# KiCad board TimingMonitor.kicad_pcb
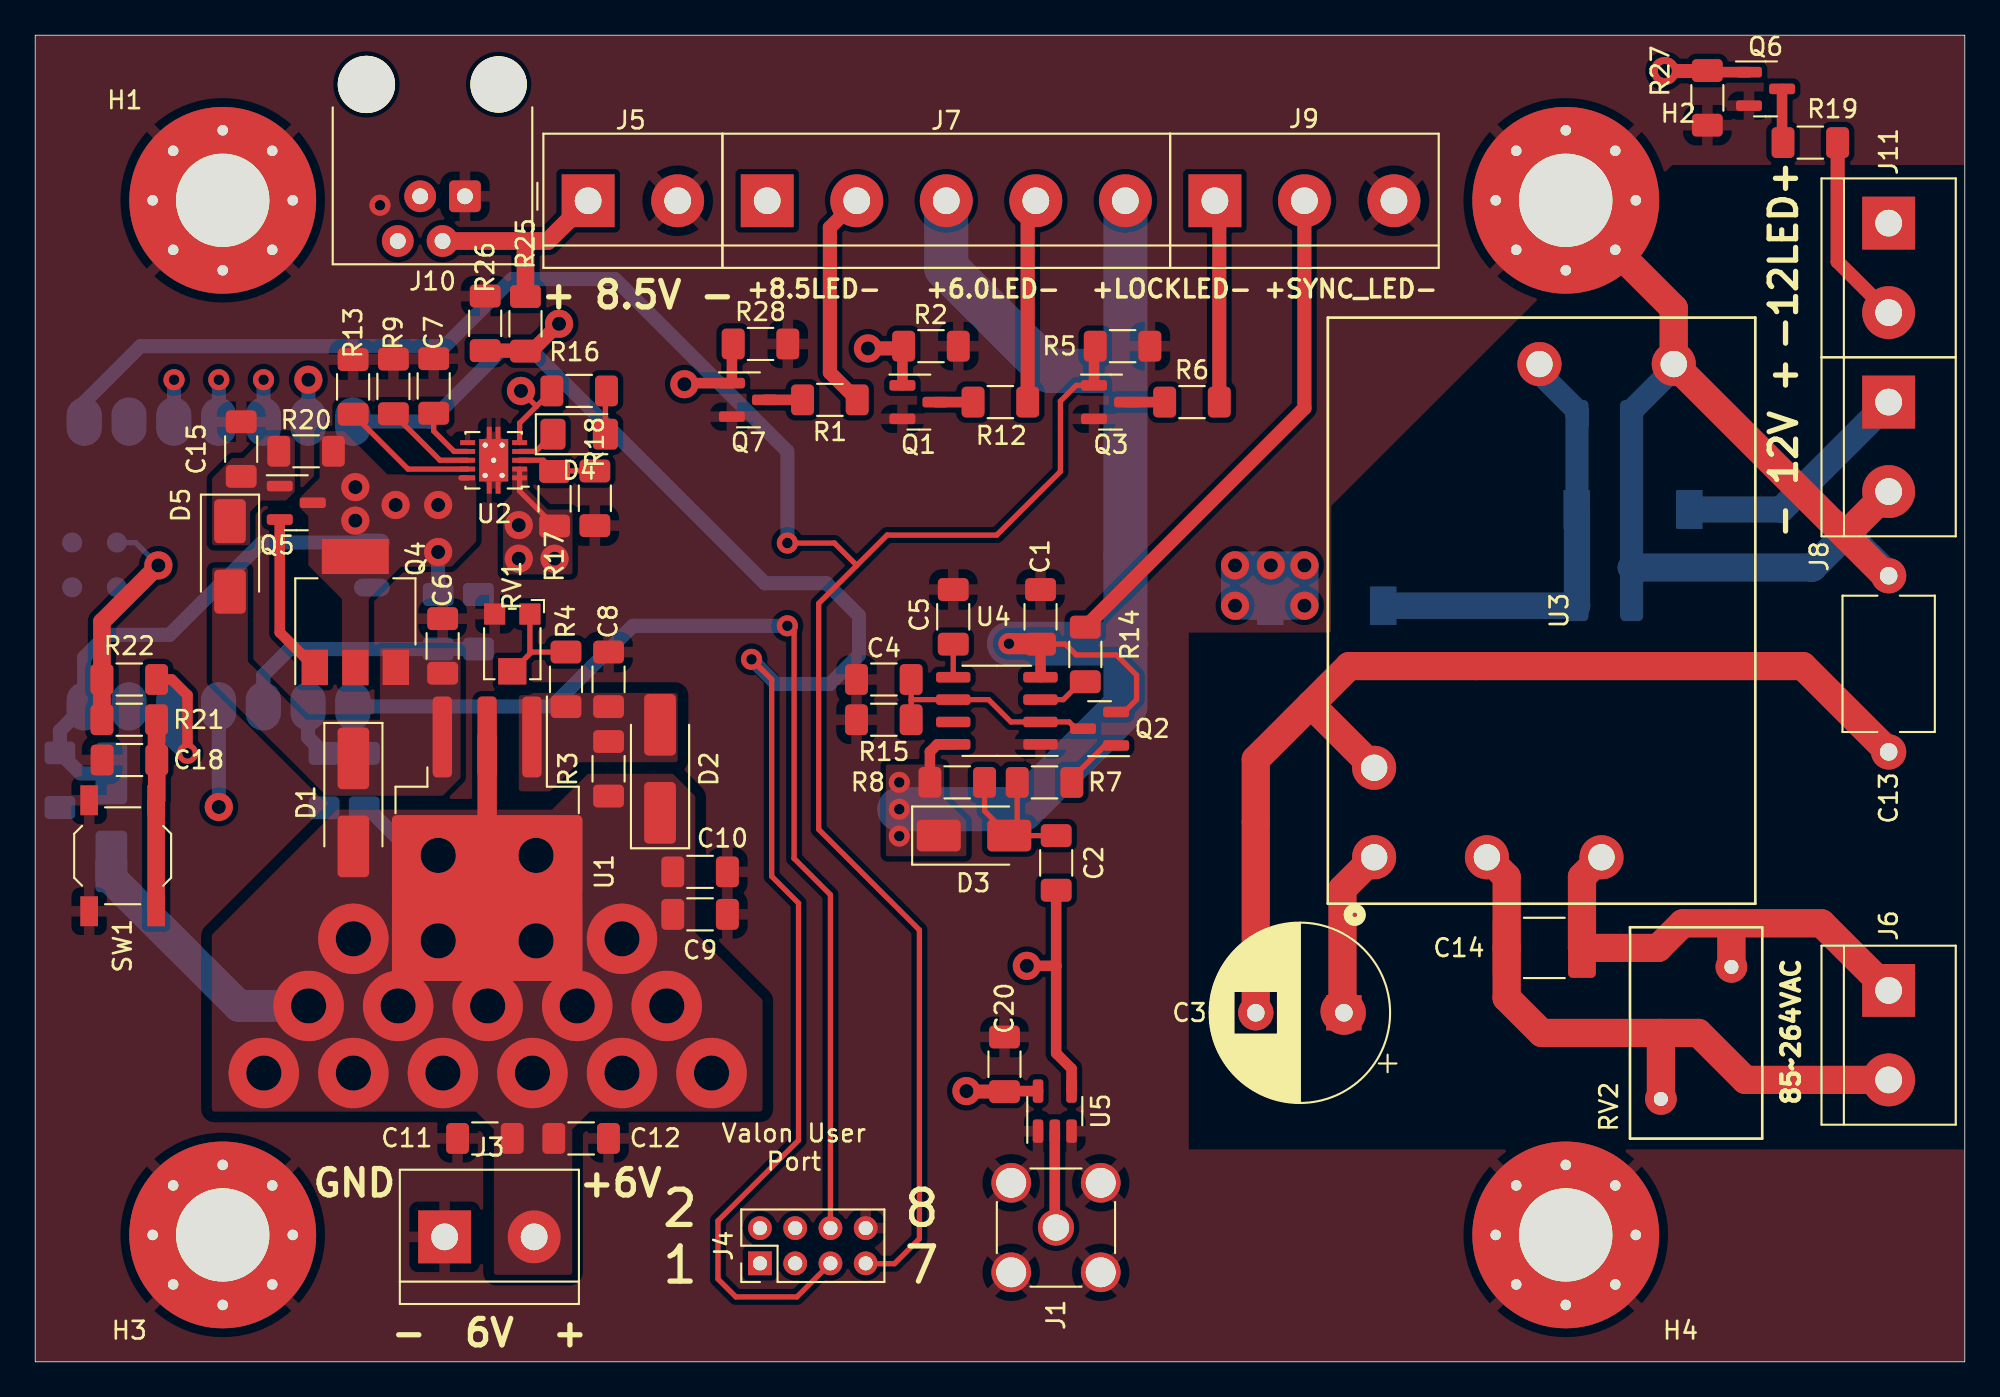
[diagram p0: board, top side]
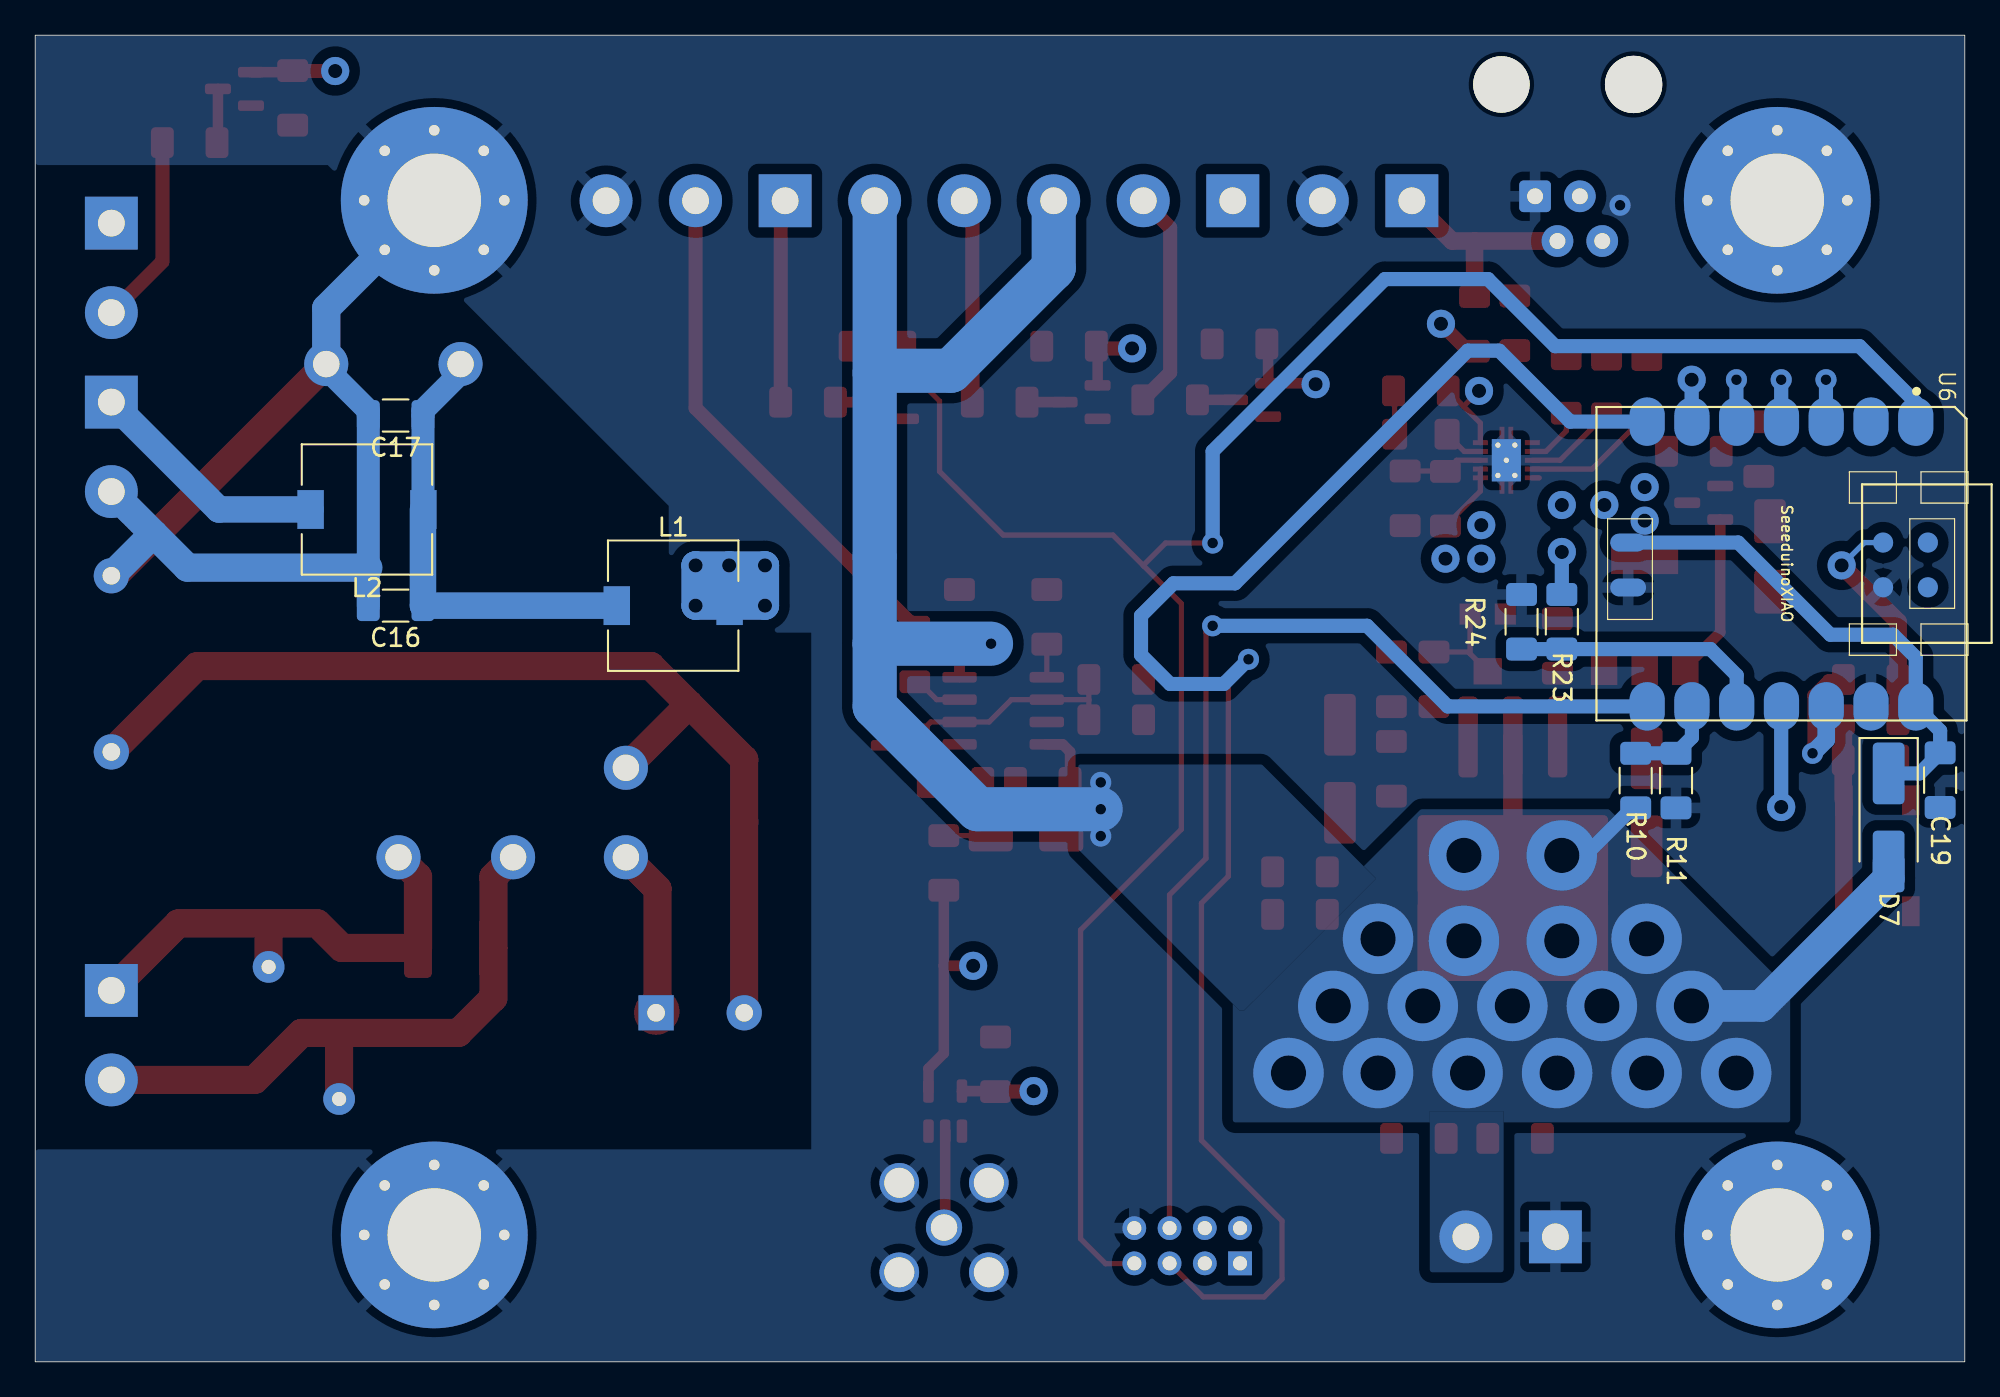
[diagram p1: board, bottom side, seen from below]

Outline 109.47 x 75.31 mm; copper layers: Top, In1.Cu, In2.Cu, Bottom. Coordinates in mm from the lower left corner of the outline.
Outline path: rectangle 0,75.31 109.47,0
Stack: Top 0.035mm / dielectric 0.1mm FR4 er 4.5 / In1.Cu 0.035mm / dielectric 1.24mm FR4 er 4.5 / In2.Cu 0.035mm / dielectric 0.1mm FR4 er 4.5 / Bottom 0.035mm

## Placement (name value [footprint] x y rotation side)
C1  100nF  [R_1206_3216Metric_Pad1.30x1.75mm_HandSolder]  57.04 42.29 270 top
C2  1uF  [R_1206_3216Metric_Pad1.30x1.75mm_HandSolder]  57.93 28.32 90 top
C3  47uF  [CP_Radial_D10.0mm_P5.00mm]  74.25 19.81 180 top
C4  10uF  [R_1206_3216Metric_Pad1.30x1.75mm_HandSolder]  48.15 38.74 180 top
C5  0.01uF  [R_1206_3216Metric_Pad1.30x1.75mm_HandSolder]  52.08 42.29 90 top
C6  0.47uF  [R_1206_3216Metric_Pad1.30x1.75mm_HandSolder]  23.11 40.64 90 top
C7  0.68uF  [R_1206_3216Metric_Pad1.30x1.75mm_HandSolder]  22.61 55.4 90 top
C8  10uF  [R_1206_3216Metric_Pad1.30x1.75mm_HandSolder]  32.53 38.74 90 top
C9  4.7uF  [R_1206_3216Metric_Pad1.30x1.75mm_HandSolder]  37.72 25.4 0 top
C10  0.1uF  [R_1206_3216Metric_Pad1.30x1.75mm_HandSolder]  37.72 27.81 0 top
C11  10uF  [R_1206_3216Metric_Pad1.30x1.75mm_HandSolder]  25.51 12.68 180 top
C12  100nF  [R_1206_3216Metric_Pad1.30x1.75mm_HandSolder]  30.97 12.68 0 top
C13  1nF  [C_Disc_D7.5mm_W5.0mm_P10.00mm]  105.16 34.62 90 top
C14  1.8nF  [C_1812_4532Metric_Pad1.57x3.40mm_HandSolder]  85.62 23.5 0 top
C15  10uF  [R_1206_3216Metric_Pad1.30x1.75mm_HandSolder]  11.68 51.82 90 top
C16  10uF  [R_1206_3216Metric_Pad1.30x1.75mm_HandSolder]  89.03 42.93 0 bottom
C17  10uF  [R_1206_3216Metric_Pad1.30x1.75mm_HandSolder]  89.03 53.72 0 bottom
C18  1uF  [R_1206_3216Metric_Pad1.30x1.75mm_HandSolder]  5.34 34.16 180 top
C19  0.1uF  [R_1206_3216Metric_Pad1.30x1.75mm_HandSolder]  1.4 33.02 270 bottom
C20  100nF  [R_1206_3216Metric_Pad1.30x1.75mm_HandSolder]  54.99 16.89 90 top
D1  S1M-13-F  [D_SMA_Handsoldering]  18.05 31.76 270 top
D2  S1M-13-F  [D_SMA_Handsoldering]  35.45 33.66 90 top
D3  B130-E3  [D_SMA]  53.26 29.87 0 top
D4  LED  [D_1206_3216Metric_Pad1.42x1.75mm_HandSolder]  30.86 52.66 0 top
D5  B130-E3  [D_SMA]  11.05 45.72 270 top
D7  S1M-13-F  [D_SMA_Handsoldering]  4.32 30.9 270 bottom
H1  MountingHole_Pad  [MountingHole_5.3mm_M5_Pad_Via]  10.64 65.94 0 top
H2  MountingHole_Pad  [MountingHole_5.3mm_M5_Pad_Via]  86.84 65.94 0 top
H3  MountingHole_Pad  [MountingHole_5.3mm_M5_Pad_Via]  10.64 7.2 0 top
H4  MountingHole_Pad  [MountingHole_5.3mm_M5_Pad_Via]  86.84 7.2 0 top
J1  Conn_Coaxial  [SMA_Amphenol_901-144_Vertical]  57.91 7.62 90 top
J3  Screw_Terminal_01x02  [TerminalBlock_bornier-2_P5.08mm]  23.23 7.09 0 top
J4  Conn_02x04_Odd_Even  [PinHeader_2x04_P2.00mm_Vertical]  41.12 5.59 90 top
J5  Screw_Terminal_01x02  [TerminalBlock_bornier-2_P5.08mm]  31.37 65.91 0 top
J6  Screw_Terminal_01x02  [TerminalBlock_bornier-2_P5.08mm]  105.16 21.08 270 top
J7  Screw_Terminal_01x05  [TerminalBlock_bornier-5_P5.08mm]  41.53 65.91 0 top
J8  Screw_Terminal_01x02  [TerminalBlock_bornier-2_P5.08mm]  105.16 54.48 270 top
J9  Screw_Terminal_01x03  [TerminalBlock_bornier-3_P5.08mm]  66.93 65.91 0 top
J10  4P4C  [RJ9_Evercom_5301-440xxx_Horizontal]  24.38 66.17 180 top
J11  Screw_Terminal_01x02  [TerminalBlock_bornier-2_P5.08mm]  105.16 64.64 270 top
L1  10uH  [L_7.3x7.3_H4.5]  73.28 42.93 180 bottom
L2  10uH  [L_7.3x7.3_H4.5]  90.65 48.39 0 bottom
Q1  MMBT3904  [SOT-23]  50.14 54.48 0 top
Q2  MMBT3906  [SOT-23]  60.39 35.94 180 top
Q3  MMBT3904  [SOT-23]  61.01 54.48 0 top
Q4  BCP56  [SOT-223]  18.16 42.57 90 top
Q5  MMBT3904  [SOT-23]  14.81 48.77 0 top
Q6  MMBT3904  [SOT-23]  98.17 72.26 0 top
Q7  MMBT3904  [SOT-23]  40.46 54.61 0 top
R1  2.2K  [R_1206_3216Metric_Pad1.30x1.75mm_HandSolder]  45.09 54.61 180 top
R2  10K  [R_1206_3216Metric_Pad1.30x1.75mm_HandSolder]  50.82 57.66 0 top
R3  240  [R_1206_3216Metric_Pad1.30x1.75mm_HandSolder]  32.53 33.66 90 top
R4  806  [R_1206_3216Metric_Pad1.30x1.75mm_HandSolder]  30.11 38.74 90 top
R5  10K  [R_1206_3216Metric_Pad1.30x1.75mm_HandSolder]  61.69 57.66 0 top
R6  2.2K  [R_1206_3216Metric_Pad1.30x1.75mm_HandSolder]  65.63 54.48 0 top
R7  10K  [R_1206_3216Metric_Pad1.30x1.75mm_HandSolder]  57.26 32.89 0 top
R8  100K  [R_1206_3216Metric_Pad1.30x1.75mm_HandSolder]  52.31 32.89 0 top
R9  8.25K  [R_1206_3216Metric_Pad1.30x1.75mm_HandSolder]  20.32 55.37 90 top
R10  27K  [R_1206_3216Metric_Pad1.30x1.75mm_HandSolder]  18.67 32.99 90 bottom
R11  10K  [R_1206_3216Metric_Pad1.30x1.75mm_HandSolder]  16.38 32.99 270 bottom
R12  2.2K  [R_1206_3216Metric_Pad1.30x1.75mm_HandSolder]  54.76 54.48 0 top
R13  11K  [R_1206_3216Metric_Pad1.30x1.75mm_HandSolder]  18.03 55.35 90 top
R14  2.2K  [R_1206_3216Metric_Pad1.30x1.75mm_HandSolder]  59.58 40.16 270 top
R15  100K  [R_1206_3216Metric_Pad1.30x1.75mm_HandSolder]  48.15 36.45 180 top
R16  5.6K  [R_1206_3216Metric_Pad1.30x1.75mm_HandSolder]  30.86 55.12 180 top
R17  698K  [R_1206_3216Metric_Pad1.30x1.75mm_HandSolder]  29.46 49 270 top
R18  47K  [R_1206_3216Metric_Pad1.30x1.75mm_HandSolder]  31.75 49.02 90 top
R19  2.2K  [R_1206_3216Metric_Pad1.30x1.75mm_HandSolder]  100.71 69.22 180 top
R20  240  [R_1206_3216Metric_Pad1.30x1.75mm_HandSolder]  15.37 51.69 180 top
R21  120  [R_1206_3216Metric_Pad1.30x1.75mm_HandSolder]  5.33 36.45 0 top
R22  2.2K  [R_1206_3216Metric_Pad1.30x1.75mm_HandSolder]  5.33 38.74 180 top
R23  62K  [R_1206_3216Metric_Pad1.30x1.75mm_HandSolder]  22.86 42.01 270 bottom
R24  10K  [R_1206_3216Metric_Pad1.30x1.75mm_HandSolder]  25.15 42.01 90 bottom
R25  43K  [R_1206_3216Metric_Pad1.30x1.75mm_HandSolder]  27.81 58.93 270 top
R26  10K  [R_1206_3216Metric_Pad1.30x1.75mm_HandSolder]  25.53 58.95 90 top
R27  10K  [R_1206_3216Metric_Pad1.30x1.75mm_HandSolder]  94.87 71.76 270 top
R28  10K  [R_1206_3216Metric_Pad1.30x1.75mm_HandSolder]  41.15 57.79 0 top
RV1  200  [Potentiometer_Bourns_TC33X_Vertical]  27.07 40.65 270 top
RV2  Varistor  [RV_Disc_D12mm_W7.5mm_P7.5mm]  92.23 14.92 90 top
SW1  SW_SPST  [SW_SPST_TL3342]  4.96 28.73 270 top
U1  LM317_TO-263  [TO-263-3_TabPin2]  25.64 27.82 270 top
U2  TPS16417DRCR  [VSON-10-1EP_3x3mm_P0.5mm_EP1.65x2.4mm_ThermalVias]  26.01 51.18 180 top
U3  TUHS10F12  [TUHS10]  75.96 28.64 90 top
U4  NE555D  [SOIC-8_3.9x4.9mm_P1.27mm]  54.56 36.96 180 top
U5  NC7SZ125  [SOT-23-5]  57.85 14.23 90 top
U6  SeeeduinoXIAO  [Seeeduino XIAO-MOUDLE14P-2.54-21X17.8MM]  20.9 54.21 270 bottom

## Library data of the parts
C1 C2 C4-C20 = -: Description: Unpolarized capacitor
C3 = -: Description: Polarized capacitor
D1 D2 D7 = -: Description: Schottky diode
D3 D5 = -: Description: 30V 1A Schottky Barrier Rectifier Diode, SMA(DO-214AC)
D4 = -: Description: Light emitting diode
H1-H4 = -: Description: Mounting Hole with connection
J1 = -: Description: coaxial connector (BNC, SMA, SMB, SMC, Cinch/RCA, LEMO, ...)
J3 J5 J6 J8 J11 = -: Description: Generic screw terminal, single row, 01x02, script generated (kicad-library-utils/schlib/autogen/connector/)
J4 = -: Description: Generic connector, double row, 02x04, odd/even pin numbering scheme (row 1 odd numbers, row 2 even numbers), script generated (kicad-library-utils/schlib/autogen/connector/)
J7 = -: Description: Generic screw terminal, single row, 01x05, script generated (kicad-library-utils/schlib/autogen/connector/)
J9 = -: Description: Generic screw terminal, single row, 01x03, script generated (kicad-library-utils/schlib/autogen/connector/)
J10 = -: Description: RJ connector, 4P4C (4 positions 4 connected), RJ9/RJ10/RJ22
L1 L2 = -: Description: Inductor
Q1 Q3 Q5-Q7 = -: Description: 0.2A Ic, 40V Vce, Small Signal NPN Transistor, SOT-23
Q2 = -: Description: -0.2A Ic, -40V Vce, Small Signal PNP Transistor, SOT-23
Q4 = -: Description: 1A Ic, 80V Vce, NPN Medium Power Transistor, SOT-223
R1-R28 = -: Description: Resistor, US symbol
RV1 = -: Description: Trim-potentiometer, US symbol
RV2 = -: Description: Voltage dependent resistor; Sim.Device: SUBCKT; Sim.Name: kicad_builtin_varistor; Sim.Params: threshold=1k; Sim.Pins: 1=A 2=B
SW1 = -: Description: Single Pole Single Throw (SPST) switch
U1 = -: Description: 1.5A 35V Adjustable Linear Regulator, TO-263
U2 = -: Description: 2.7-V to 40-V 152-mΩ 1.8-A eFuse with output power limiting; Availability: In Stock; COPYRIGHT: Copyright (C) 2024 Ultra Librarian. All rights reserved.; Check_prices: https://www.snapeda.com/parts/TPS16417DRCR/Texas+Instruments/view-part/?ref=eda; MF: Texas Instruments; MFR_NAME: Texas Instruments; Package: None; Price: None; REFDES: RefDes; SnapEDA_Link: https://www.snapeda.com/parts/TPS16417DRCR/Texas+Instruments/view-part/?ref=snap; TYPE: TYPE
U4 = -: Description: Precision Timers, 555 compatible, SOIC-8
U5 = -: Description: TinyLogic UHS Buffer with Three-State Output, SOT-23-5

## Footprints (pads in the part's own frame, mm; a bottom-side part is the same pattern mirrored in y, then rotated)
C_1812_4532Metric_Pad1.57x3.40mm_HandSolder
  rrect 1.575x3.4 smd: 1(-2.138,0) 2(2.138,0)
C_Disc_D7.5mm_W5.0mm_P10.00mm
  round 2 hole 1: 1(0,0) 2(10,0)
CP_Radial_D10.0mm_P5.00mm
  rect 2x2 hole 1: 1(0,0)
  round 2 hole 1: 2(5,0)
D_1206_3216Metric_Pad1.42x1.75mm_HandSolder
  rrect 1.425x1.75 smd: 1(-1.488,0) 2(1.488,0)
D_SMA
  rrect 2.5x1.8 smd: 1(-2,0) 2(2,0)
D_SMA_Handsoldering
  rrect 3.5x1.8 smd: 1(-2.5,0) 2(2.5,0)
L_7.3x7.3_H4.5
  rect 1.5x2.2 smd: 1(-3.2,0) 2(3.2,0)
MountingHole_5.3mm_M5_Pad_Via
  round 0.9 hole 0.6: 1(-3.975,0) 1(-2.811,2.811) 1(-2.811,-2.811) 1(0,3.975) 1(0,-3.975) 1(2.811,2.811) 1(2.811,-2.811) 1(3.975,0)
  round 10.6 hole 5.3: 1(0,0)
PinHeader_2x04_P2.00mm_Vertical
  rect 1.35x1.35 hole 0.8: 1(0,0)
  oval 1.35x1.35 hole 0.8: 2(2,0) 3(0,-2) 4(2,-2) 5(0,-4) 6(2,-4) 7(0,-6) 8(2,-6)
Potentiometer_Bourns_TC33X_Vertical
  rect 1.2x1.2 smd: 1(-1.8,1) 3(-1.8,-1)
  rect 1.5x1.6 smd: 2(1.45,0)
R_1206_3216Metric_Pad1.30x1.75mm_HandSolder
  rrect 1.3x1.75 smd: 1(-1.55,0) 2(1.55,0)
RJ9_Evercom_5301-440xxx_Horizontal
  round 3.25 hole 3.2 unplated: (-1.91,-6.35)
  round 3.25 hole 3.25 unplated: (5.59,-6.35)
  rrect 1.8x1.8 hole 0.9: 1(0,0)
  round 1.8 hole 0.9: 2(1.27,2.54) 3(2.54,0) 4(3.81,2.54)
RV_Disc_D12mm_W7.5mm_P7.5mm
  round 1.8 hole 0.8: 1(0,0) 2(7.5,-4)
Seeeduino XIAO-MOUDLE14P-2.54-21X17.8MM
  oval 2.748x1.999 smd: 1(0.833,18.118) 2(0.833,15.578) 3(0.833,13.038) 4(0.833,10.498) 5(0.833,7.958) 6(0.833,5.418) 7(0.833,2.878) 8(16.998,2.878) 9(16.998,5.418) 10(16.998,7.958) 11(16.998,10.498) 12(16.998,13.038) 13(16.998,15.578) 14(16.998,18.118)
  oval 1.016x2.032 smd: 15(7.7,1.8) 16(10.25,1.8)
  round 1.143 smd: 17(7.699,18.804) 18(10.239,18.804) 19(7.699,16.264) 20(10.239,16.264)
SMA_Amphenol_901-144_Vertical
  round 2.05 hole 1.5: 1(0,0)
  round 2.25 hole 1.7: 2(-2.54,2.54) 2(-2.54,-2.54) 2(2.54,2.54) 2(2.54,-2.54)
SOIC-8_3.9x4.9mm_P1.27mm
  rrect 1.95x0.6 smd: 1(-2.475,1.905) 2(-2.475,0.635) 3(-2.475,-0.635) 4(-2.475,-1.905) 5(2.475,-1.905) 6(2.475,-0.635) 7(2.475,0.635) 8(2.475,1.905)
SOT-23
  rrect 1.475x0.6 smd: 1(-0.938,0.95) 2(-0.938,-0.95) 3(0.938,0)
SOT-23-5
  rrect 1.325x0.6 smd: 1(-1.137,0.95) 2(-1.137,0) 3(-1.137,-0.95) 4(1.137,-0.95) 5(1.137,0.95)
SOT-223
  rect 2x1.5 smd: 1(-3.15,2.3) 2(-3.15,0) 3(-3.15,-2.3)
  rect 2x3.8 smd: 4(3.15,0)
SW_SPST_TL3342
  rect 1.7x1 smd: 1(-3.15,1.9) 1(3.15,1.9) 2(-3.15,-1.9) 2(3.15,-1.9)
TerminalBlock_bornier-2_P5.08mm
  rect 3x3 hole 1.52: 1(0,0)
  round 3 hole 1.52: 2(5.08,0)
TerminalBlock_bornier-3_P5.08mm
  rect 3x3 hole 1.52: 1(0,0)
  round 3 hole 1.52: 2(5.08,0) 3(10.16,0)
TerminalBlock_bornier-5_P5.08mm
  rect 3x3 hole 1.52: 1(0,0)
  round 3 hole 1.52: 2(5.08,0) 3(10.16,0) 4(15.24,0) 5(20.32,0)
TO-263-3_TabPin2
  rrect 4.6x1.1 smd: 1(-7.65,2.54) 2(-7.65,0) 3(-7.65,-2.54)
  rrect 4.55x5.25 smd: 2(-0.925,2.775) 2(-0.925,-2.775) 2(3.925,2.775) 2(3.925,-2.775)
  rrect 9.4x10.8 smd: 2(1.5,0)
TUHS10
  round 2.5 hole 1.5: 1(0,0) 2(0,-6.4) 3(0,-12.9) 4(28,-17) 5(28,-9.38) 6(5.08,0)
VSON-10-1EP_3x3mm_P0.5mm_EP1.65x2.4mm_ThermalVias
  rect 0.64x0.64 smd: (-0.48,0.86) (-0.48,0) (-0.48,-0.86) (0.48,0.86) (0.48,0) (0.48,-0.86)
  rect 0.85x0.28 smd: 1(-1.475,1) 2(-1.475,0.5) 3(-1.475,0) 4(-1.475,-0.5) 5(-1.475,-1) 6(1.475,-1) 7(1.475,-0.5) 8(1.475,0) 9(1.475,0.5) 10(1.475,1)
  round 0.6 hole 0.3: 11(-0.48,0.86) 11(-0.48,-0.86) 11(0,0) 11(0.48,0.86) 11(0.48,-0.86)
  rect 0.28x0.7 smd: 11(-0.25,1.55) 11(-0.25,-1.55) 11(0.25,1.55) 11(0.25,-1.55)
  rect 1.65x2.4 smd: 11(0,0)
  rect 1.65x2.4 smd far side: 11(0,0)

## Nets
3.3V: C20.1 R22.1 U5.5 U6.12
6V_N: J7.4 R12.2
8V5: J5.1 J10.2 R25.1
12V: J8.1 L2.2
12V_fuse: Q4.2 Q4.4 Q5.3 R20.1 R23.1 U2.10
+6V: C1.2 C9.1 C10.1 C11.1 C12.1 D1.2 D2.1 D3.1 D7.2 J3.2 J7.1 J7.3 J7.5 J11.1 Q2.2 R3.1 R8.1 R10.1 U1.2 U4.4 U4.8
6_led: Q1.1 R2.1 U6.4
6_sense: R10.2 R11.1 U6.9
8.5_led: Q7.1 R28.1 U6.5
8.5_N: J7.2 R1.1
8.5_sense: R25.2 R26.1 U6.11
12_led: Q6.1 R27.1 U6.3
12_N: C1.1 C4.2 C5.2 C6.2 C7.2 C8.2 C9.2 C10.2 C11.2 C12.2 C13.2 C15.2 C16.2 C17.2 C18.2 C19.2 C20.2 H1.1 H2.1 H3.1 H4.1 J1.2 J3.1 J4.8 J5.2 J8.2 J9.3 J10.1 Q1.2 Q3.2 Q6.2 Q7.2 R2.2 R5.2 R9.2 R11.2 R13.2 R15.2 R18.1 R24.2 R26.2 R27.2 R28.2 RV1.3 SW1.2 U2.6 U2.11 U3.4 U4.1 U5.1 U5.3 U6.13 U6.16 U6.20
12_NN: J11.2 R19.1
12_sense: R23.2 R24.1 U6.10
L0: J4.1
L1: J4.2
L2: J4.3
L3: J4.4
L4/RXD: J4.5 U6.7
Lock: J4.7 Q3.1 R5.1 U6.1
LOCK_N: J9.1 R6.2
Sync: C2.1 U5.4 U6.6
SYNC_P: J9.2 R14.1
TXD: J4.6 U6.8
Vmid: C19.1 D7.1 U6.14 U6.15
Net-(D1-K): C6.1 D1.1 D5.2 Q4.3 U1.3
Net-(D2-A): C8.1 D2.2 R3.2 R4.1 U1.1
Net-(D3-A): C2.2 D3.2 R7.1 R8.2
Net-(D4-A): D4.2 R16.1
Net-(D4-K): D4.1 U2.4
Net-(D5-K): C15.1 D5.1 Q5.1 R20.2
Net-(J1-In): J1.1 U5.2
Net-(J6-Pin_1): C14.2 J6.1 RV2.2 U3.3
Net-(J6-Pin_2): C14.1 J6.2 RV2.1 U3.2
Net-(Q1-C): Q1.3 R12.1
Net-(Q2-B): Q2.1 R7.2
Net-(Q2-C): C4.1 Q2.3 R15.1 U4.2 U4.6
Net-(Q3-C): Q3.3 R6.1
Net-(Q4-B): Q4.1 Q5.2
Net-(Q6-C): Q6.3 R19.2
Net-(Q7-C): Q7.3 R1.2
Net-(R4-Pad2): R4.2 RV1.1 RV1.2
Net-(SW1-A): C18.1 R21.2 SW1.1
Net-(U2-DVDT): C7.1 U2.7
Net-(U2-EN_SHDN_N): L1.2 R16.2 R17.2 U2.1 U2.2 U2.5
Net-(U2-ILIM): R9.1 U2.8
Net-(U2-IOCP): R13.1 U2.9
Net-(U2-OVP): R17.1 R18.2 U2.3
Net-(U3-+BC): C3.1 U3.1
Net-(U3-+VOUT): C16.1 C17.1 L1.1 L2.1 U3.5
Net-(U3--BC): C3.2 C13.1 U3.6
Net-(U4-CV): C5.1 U4.5
Net-(U4-Q): R14.2 U4.3
Net-(U6-RESET): R21.1 R22.2 U6.19

Pads without a net: J10 3 4; U4 7; U6 2 17 18

## Via types
v1: diameter 4, hole 2, Top to Bottom, 17 vias
v2: diameter 1.2, hole 0.6, Top to Bottom, 12 vias
v3: diameter 1.6, hole 0.8, Top to Bottom, 23 vias

## Routing (per net, layer and track width the routed paths; a pad name or vN(x,y) marks a point on that pad's centre or on a via; arc(x,y) is an arc through that point)
3.3V: length 94.4
  Top w0.6: v2(8.64,34.54) 8.64,37.85 7.75,38.74 R22.1 ; U5.5 55.02,15.37
  Top w0.8: C20.1 52.86,15.34 v3(52.83,15.37)
  In1.Cu w0.6: v2(8.64,34.54) 7.62,33.53 7.62,30.23 8.38,29.46 11.43,29.46 18.03,36.07 51.94,36.07 60.45,27.56 60.45,18.8 57.02,15.37 v3(52.83,15.37)
  Bottom w1: v2(8.64,34.54) 7.86,35.32 U6.12
6V_N: length 11.6
  Top w0.8: J7.4 56.31,65.45 R12.2
8V5: length 12.4
  Top w1: J5.1 29.08,63.63 27.81,63.63 ; 27.81,63.63 R25.1 ; 27.81,63.63 23.11,63.63
12V: length 13.8
  Bottom w1.5: J8.1 99.06,48.39 L2.2
12V_fuse: length 2.8
  Top w0.3: U2.10 24.15,50.18
  Bottom w0.8: v3(22.86,45.97) R23.1
  vias: v3(18.16,49.66) v3(18.16,47.75) v3(20.45,48.64) v3(22.86,48.64)
+6V: length 182.3
  Top w0.3: Q2.2 61.78,36.89 62.48,37.59 62.48,38.99 61.34,40.13 59.06,40.13 58.45,40.74 C1.2 57.01,40.77 ; 57.04,38.87 U4.4
  Top w0.6: C1.2 57.04,38.87 ; R8.1 50.76,34.63 51.18,35.05 U4.8
  Top w1.1: U1.2 U1.2
  Top w1.2: v2(55.25,40.77) 57.01,40.77
  In2.Cu w1.6: J11.1 90.55,50.04 62.87,50.04 51.69,61.21 J7.3
  Bottom w0.3: 61.72,56.26 61.85,56.13
  Bottom w0.6: 51.05,61.47 51.69,62.1
  Bottom w0.8: R10.1 18.85,31.44 21.54,28.75 v1(22.86,28.75)
  Bottom w1.8: v1(15.51,20.2) 11.55,20.2 4.32,27.43 D7.2
  Bottom w2.5: v2(55.25,40.77) 61.85,40.77 ; 61.85,40.77 61.85,37.21 56.01,31.37 v2(49.02,31.37) ; 61.85,40.77 J7.5 ; J7.3 51.69,62.1 57.53,56.26 61.72,56.26
  vias: v1(12.97,16.39) v1(18.05,24.01) v1(18.05,16.39) v1(20.59,20.2) v1(22.86,23.9) v1(23.13,16.39) v1(25.67,20.2) v1(28.21,16.39) v1(28.41,28.75) v1(28.41,23.9) v1(30.75,20.2) v1(33.29,24.01) v1(33.29,16.39) v1(35.83,20.2) v1(38.37,16.39) v2(49.02,32.89) v2(49.02,29.85)
6_led: length 45.8
  Top w0.6: Q1.1 49.2,57.59
  Top w0.8: v3(47.24,57.53) 49.14,57.53 R2.1 49.2,57.59
  In2.Cu w0.8: v3(47.24,57.53) 34.67,57.53 33.66,56.52 29.34,56.52 28.07,57.79 11.68,57.79 10.41,56.52 v2(10.41,55.75)
  Bottom w0.6: 10.41,53.39 U6.4
  Bottom w0.8: v2(10.41,55.75) 10.41,53.39
6_sense: length 5.3
  Bottom w0.8: R10.2 R11.1 15.48,35.45 U6.9
8.5_led: length 33.8
  Top w0.6: 36.89,55.56 Q7.1 39.53,57.71
  Top w0.8: 39.53,57.71 R28.1 ; 36.89,55.56 v3(36.83,55.5)
  In2.Cu w0.8: v2(12.95,55.75) 12.95,54.23 13.59,53.59 34.93,53.59 v3(36.83,55.5)
  Bottom w0.6: 12.95,53.39 U6.5
  Bottom w0.8: v2(12.95,55.75) 12.95,53.39
8.5_N: length 12.6
  Top w0.3: 46.66,65.87 J7.2
  Top w0.8: R1.1 45.09,56.16 45.09,64.39 J7.2
8.5_sense: length 49.6
  Top w0.8: R26.1 27.79,57.4 R25.2 28.17,57.38 v3(29.72,58.93)
  In1.Cu w0.8: v3(10.41,31.5) 10.41,45.85 23.5,58.93 v3(29.72,58.93)
  Bottom w0.8: U6.11 10.41,37.2 v3(10.41,31.5)
12_led: length 103
  Top w0.6: Q6.1 94.96,73.21
  Top w0.8: 94.96,73.21 R27.1 94.84,73.28 v3(92.46,73.28)
  In2.Cu w0.8: v2(7.87,55.75) 7.87,57.79 9.4,59.31 22.35,59.31 27.81,64.77 27.81,69.47 31.5,73.15 92.33,73.15 v3(92.46,73.28)
  Bottom w0.6: 7.87,53.39 U6.3
  Bottom w0.8: v2(7.87,55.75) 7.87,53.39
12_N: length 123.2
  Top w0.8: 104.98,44.62 C13.2
  Top w1.6: J8.2 102.68,46.93 ; 104.98,44.62 U3.4 92.96,59.81 H2.1
  In1.Cu w0.8: 104.98,44.62 C13.2
  In1.Cu w1.6: J8.2 102.68,46.93 ; 102.68,46.93 U3.4 92.96,59.81 H2.1 ; 102.68,46.93 104.98,44.62
  In2.Cu w1.6: H2.1 92.96,59.81 U3.4
  Bottom w0.2: H1.1 10.64,65.94
  Bottom w0.8: 102.79,46.99 102.74,46.99
  Bottom w1.3: C16.2 C17.2 90.58,54 92.96,56.39 U3.4
  Bottom w1.6: 90.58,45.09 100.84,45.09 J8.2 ; H2.1 92.96,59.81 U3.4 ; C13.2 102.79,46.99
  vias: v2(19.56,65.66)
12_NN: length 10.9
  Top w0.8: R19.1 102.26,62.46 J11.2
12_sense: length 14.6
  Bottom w0.8: U6.10 12.94,38.97 14.43,40.46 R23.2 R24.1
L4/RXD: length 92.9
  Top w0.3: 41.28,39.24 v2(40.64,39.88) 41.78,38.74 41.78,27.56 43.31,26.04 43.31,12.57 38.73,8 38.73,4.7 39.75,3.68 43.21,3.68 J4.5
  Bottom w0.8: v2(40.64,39.88) 42.04,38.48 45.09,38.48 46.74,40.13 46.74,42.35 44.89,44.2 41.4,44.2 28.19,57.4 26.42,57.4 22.39,53.37 U6.7
Lock: length 125.1
  Top w0.3: Q3.1 59.06,55.43 58.17,54.54 58.17,50.55 54.55,46.93 48.33,46.93 46.55,45.15 ; 46.55,45.15 44.45,43.05 44.45,30.23 50.16,24.51 50.16,6.99 48.75,5.57 47.1,5.57 ; 46.55,45.15 46.61,45.21 45.34,46.48 v2(42.67,46.48) ; 60.07,57.59 R5.1
  Top w0.6: Q3.1 60.07,57.59
  Bottom w0.8: v2(42.67,46.48) 42.67,51.69 32.89,61.47 27.05,61.47 23.24,57.66 5.97,57.66 2.78,54.47 U6.1
LOCK_N: length 11.5
  Top w0.8: J9.1 67.18,65.66 R6.2
Sync: length 116.6
  Top w0.3: 57.91,26.76 C2.1
  Top w0.6: U5.4 58.8,16.64 57.93,17.51 57.93,22.48 ; 57.93,22.48 v3(56.26,22.48) ; 57.93,22.48 C2.1
  In1.Cu w0.8: v3(15.49,55.75) 15.49,57.02 14.1,58.42 6.48,58.42 3.3,55.25 3.3,31.12 6.73,27.69 13.34,27.69 19.05,33.4 35.18,33.4 46.1,22.48 v3(56.26,22.48)
  Bottom w0.8: U6.6 15.49,53.39 v3(15.49,55.75)
SYNC_P: length 29.4
  Top w0.8: R14.1 72.01,54.14 J9.2
TXD: length 61.8
  Top w0.3: v2(42.67,41.78) 43.05,41.4 43.05,28.58 45.12,26.51 J4.6
  Bottom w0.8: v2(42.67,41.78) 33.91,41.78 29.34,37.21 U6.8
Vmid: length 28.4
  Bottom w0.8: D7.1 2.57,33.4 C19.1 1.4,35.83 U6.14 2.78,39.99 4.06,41.28 7.62,41.28 12.85,46.51 U6.15
Net-(D3-A): length 9.5
  Top w0.3: R7.1 55.71,30.33 D3.2 ; D3.2 53.86,31.28 R8.2 ; D3.2 55.27,29.87 C2.2
Net-(D4-A): length 2.5
  Top w0.3: R16.1 32.35,55.06 D4.2
Net-(D4-K): length 2.3
  Top w0.3: D4.1 28.39,51.68 U2.4
Net-(J1-In): length 5.5
  Top w0.3: 57.85,7.69 J1.1
  Top w0.6: U5.2 57.85,7.69
Net-(J6-Pin_1): length 27.6
  Top w0.3: 96.23,24.86 96.27,24.89
  Top w1.6: J6.1 101.35,24.89 93.47,24.89 92.08,23.5 C14.2 87.76,27.54 U3.3 ; RV2.2 96.23,24.86
Net-(J6-Pin_2): length 35.8
  Top w0.3: 92.23,18.64 92.2,18.67
  Top w1.6: RV2.1 92.23,18.64 ; U3.2 83.48,27.52 83.48,20.66 85.47,18.67 94.36,18.67 97.03,16 J6.2
Net-(Q1-C): length 2.1
  Top w0.6: R12.1 Q1.3
Net-(Q2-B): length 3.5
  Top w0.3: 58.81,32.89 58.81,33.12 60.68,34.99 61.32,34.99
Net-(Q2-C): length 12.7
  Top w0.3: R15.1 49.7,37.57 ; 49.7,37.57 C4.1 ; 49.7,37.57 49.72,37.59 U4.6 54.09,37.59 55.36,36.32 U4.2 58.66,36.32 59.04,35.94 Q2.3
Net-(Q3-C): length 2.1
  Top w0.6: Q3.3 R6.1
Net-(Q4-B): length 9.2
  Top w0.6: Q5.2 13.87,41.41 Q4.1
Net-(Q6-C): length 3.1
  Top w0.6: Q6.3 99.11,69.27
  Top w0.8: 99.11,69.27 R19.2
Net-(Q7-C): length 2.1
  Top w0.6: Q7.3 R1.2
Net-(R4-Pad2): length 5.8
  Top w0.3: R4.2 28.16,40.29 28.07,40.2 ; RV1.1 28.07,40.2 ; 28.07,40.2 RV1.2
Net-(SW1-A): length 10.9
  Top w0.3: 6.89,31.91 SW1.1 ; 6.91,34.18 C18.1 6.88,34.17
  Top w1: SW1.1 SW1.1 ; R21.2 6.88,34.17 ; C18.1 6.89,31.91
Net-(U2-DVDT): length 3.4
  Top w0.3: U2.7 23.77,51.68 22.61,52.84 C7.1
Net-(U2-EN_SHDN_N): length 41.6
  Top w0.3: 28.44,54.24 27.48,53.29 U2.5 ; 28.44,54.24 R16.2 ; 28.44,54.24 v3(27.56,55.12) ; U2.2 U2.1 27.48,49.43 R17.2
  In1.Cu w0.8: v3(29.46,45.59) 31.12,47.24 31.12,51.56 v3(27.56,55.12)
  Bottom w0.8: 70.08,43.28 L1.2 70.08,43.21 ; 70.08,45.19 v3(70.1,45.21)
  Bottom w1.6: v3(68.07,45.21) v3(70.1,45.21) v3(72.01,45.21) ; v3(68.07,45.21) v3(68.07,42.93) L1.2 ; v3(68.07,45.21) 70.08,43.21 ; v3(72.01,45.21) v3(72.01,42.93) L1.2 ; v3(72.01,45.21) 70.08,43.28 ; L1.2 70.08,45.19
  vias: v3(27.43,47.5) v3(27.43,45.59)
Net-(U2-ILIM): length 5.3
  Top w0.3: U2.8 22.96,51.18 R9.1
Net-(U2-IOCP): length 7.8
  Top w0.3: U2.9 21.15,50.68 R13.1
Net-(U2-OVP): length 4.5
  Top w0.3: R18.2 29.49,50.57 R17.1 28.83,51.18 U2.3
Net-(U3-+BC): length 9.6
  Top w1.6: 74.17,19.89 74.17,26.85 U3.1
  Top w2.5: 74.17,19.89 C3.1
Net-(U3-+VOUT): length 25.6
  Bottom w0.8: 87.48,48.36 L2.1
  Bottom w1.3: U3.5 85.34,56.13 87.48,54 C17.1 87.48,48.41 L2.1
  Bottom w1.5: 87.48,48.36 C16.1 L1.1
Net-(U3--BC): length 59.6
  Top w0.3: 72.39,37.3 72.39,37.34
  Top w1.6: U3.6 72.39,37.3 ; C3.2 69.25,34.2 74.55,39.5 100.28,39.5 C13.1
Net-(U4-CV): length 1.9
  Top w0.3: C5.1 U4.5
Net-(U4-Q): length 3
  Top w0.3: R14.2 59.35,38.61 58.33,37.59 U4.3
Net-(U6-RESET): length 13
  Top w1: R21.1 R22.2 3.78,42.01 v3(6.98,45.21)
  Bottom w0.3: U6.19 5.69,46.51 v3(6.98,45.21)

## Copper pours and planes (outline as drawn; the poured copper is in the pictures)
12V_fuse on Top, In2.Cu: 16.13,52.83 17.53,52.83 19.98,50.38 25.02,50.39 25.02,46.61 24.98,46.52 23.62,45.14 20.75,45.14 18.92,43.31 18.92,38.35 17.4,38.35 17.4,43.31 15.49,45.21 15.49,48.01 14.99,48.51 14.99,49.02 16.13,50.17
+6V on Top: 31.35,33.38 29.32,31.35 17.13,31.35 10.02,24.24 10.02,14.2 25,14.2 26.02,13.19 26.02,4.93 30.46,4.93 30.46,13.19 31.48,14.2 41.26,14.2 41.26,20.55 37.45,24.36 37.45,32.11 36.18,33.38
+6V on Top: 51.56,33.91 51.56,32 52.83,30.73 52.83,28.7 48.26,28.7 48.26,33.91
+6V on Bottom: 41.53,13.59 41.53,20.7 30.86,31.37 20.19,31.37 9.91,21.08 9.91,13.59
+6V on Bottom: 39.88,33.91 33.4,27.43 40.89,19.94 41.15,19.94 50.29,29.08 50.29,33.91
+6V on Bottom: 26.16,5.08 30.35,5.08 30.35,14.22 26.16,14.22
+6V on In2.Cu: 9.91,13.21 19.18,13.21 27.56,4.83 35.56,4.83 64.52,33.78 64.52,68.71 62.48,70.74 41.4,70.74 39.12,68.45 39.12,34.04 37.21,32.13 21.59,32.13 9.91,20.45
12_N on Top: 0,75.31 109.47,75.31 109.47,0 0,0
12_N on Bottom: 0,75.31 109.6,75.31 109.6,0 0,0
12_N on In1.Cu: 0,75.31 109.47,75.31 109.47,0 0,0
12_N on In2.Cu: 0,75.31 109.47,75.31 109.47,0 0,0
Net-(D1-K) on Top: 10.03,45.09 12.06,45.09 12.06,39.75 15.37,36.45 19.56,36.45 19.56,40.51 24.13,40.51 24.13,33.15 23.11,32.13 16.51,32.13 10.03,38.61
Net-(D2-A) on Top: 27.43,37.97 36.45,37.97 36.45,34.04 30.86,34.04 29.21,32.39 27.43,32.39
Net-(D5-K) on Top: 13.08,52.58 14.48,52.58 14.73,52.32 14.73,49.4 14.22,48.9 12.83,48.9 12.19,48.26 12.19,46.36 10.03,46.36 10.03,50.17 11.18,51.31 11.81,51.31
Net-(U2-EN_SHDN_N) on Top: 27.05,50.8 27.94,50.8 27.94,49.53 29.08,48.39 30.48,48.39 30.48,44.7 26.54,44.7 26.54,48.77 27.05,49.28
Net-(U2-EN_SHDN_N) on In1.Cu: 26.16,44.32 30.73,44.32 35.81,49.4 59.18,49.4 67.18,41.4 73.28,41.4 73.28,45.85 63.25,55.88 33.4,55.88 26.16,48.64

## Text on the board
F.Silkscreen: Valon User / Port | +8.5LED- | +6.0LED- | +LOCKLED- | +SYNC_LED- | 85~264VAC | GND | -  6V  + | + 8.5V - | +6V | -12LED+ | - 12V + | 2 / 1 | 8 / 7
